# Altium PCB PCB3.PcbDoc (part 1 of 3) (continued)
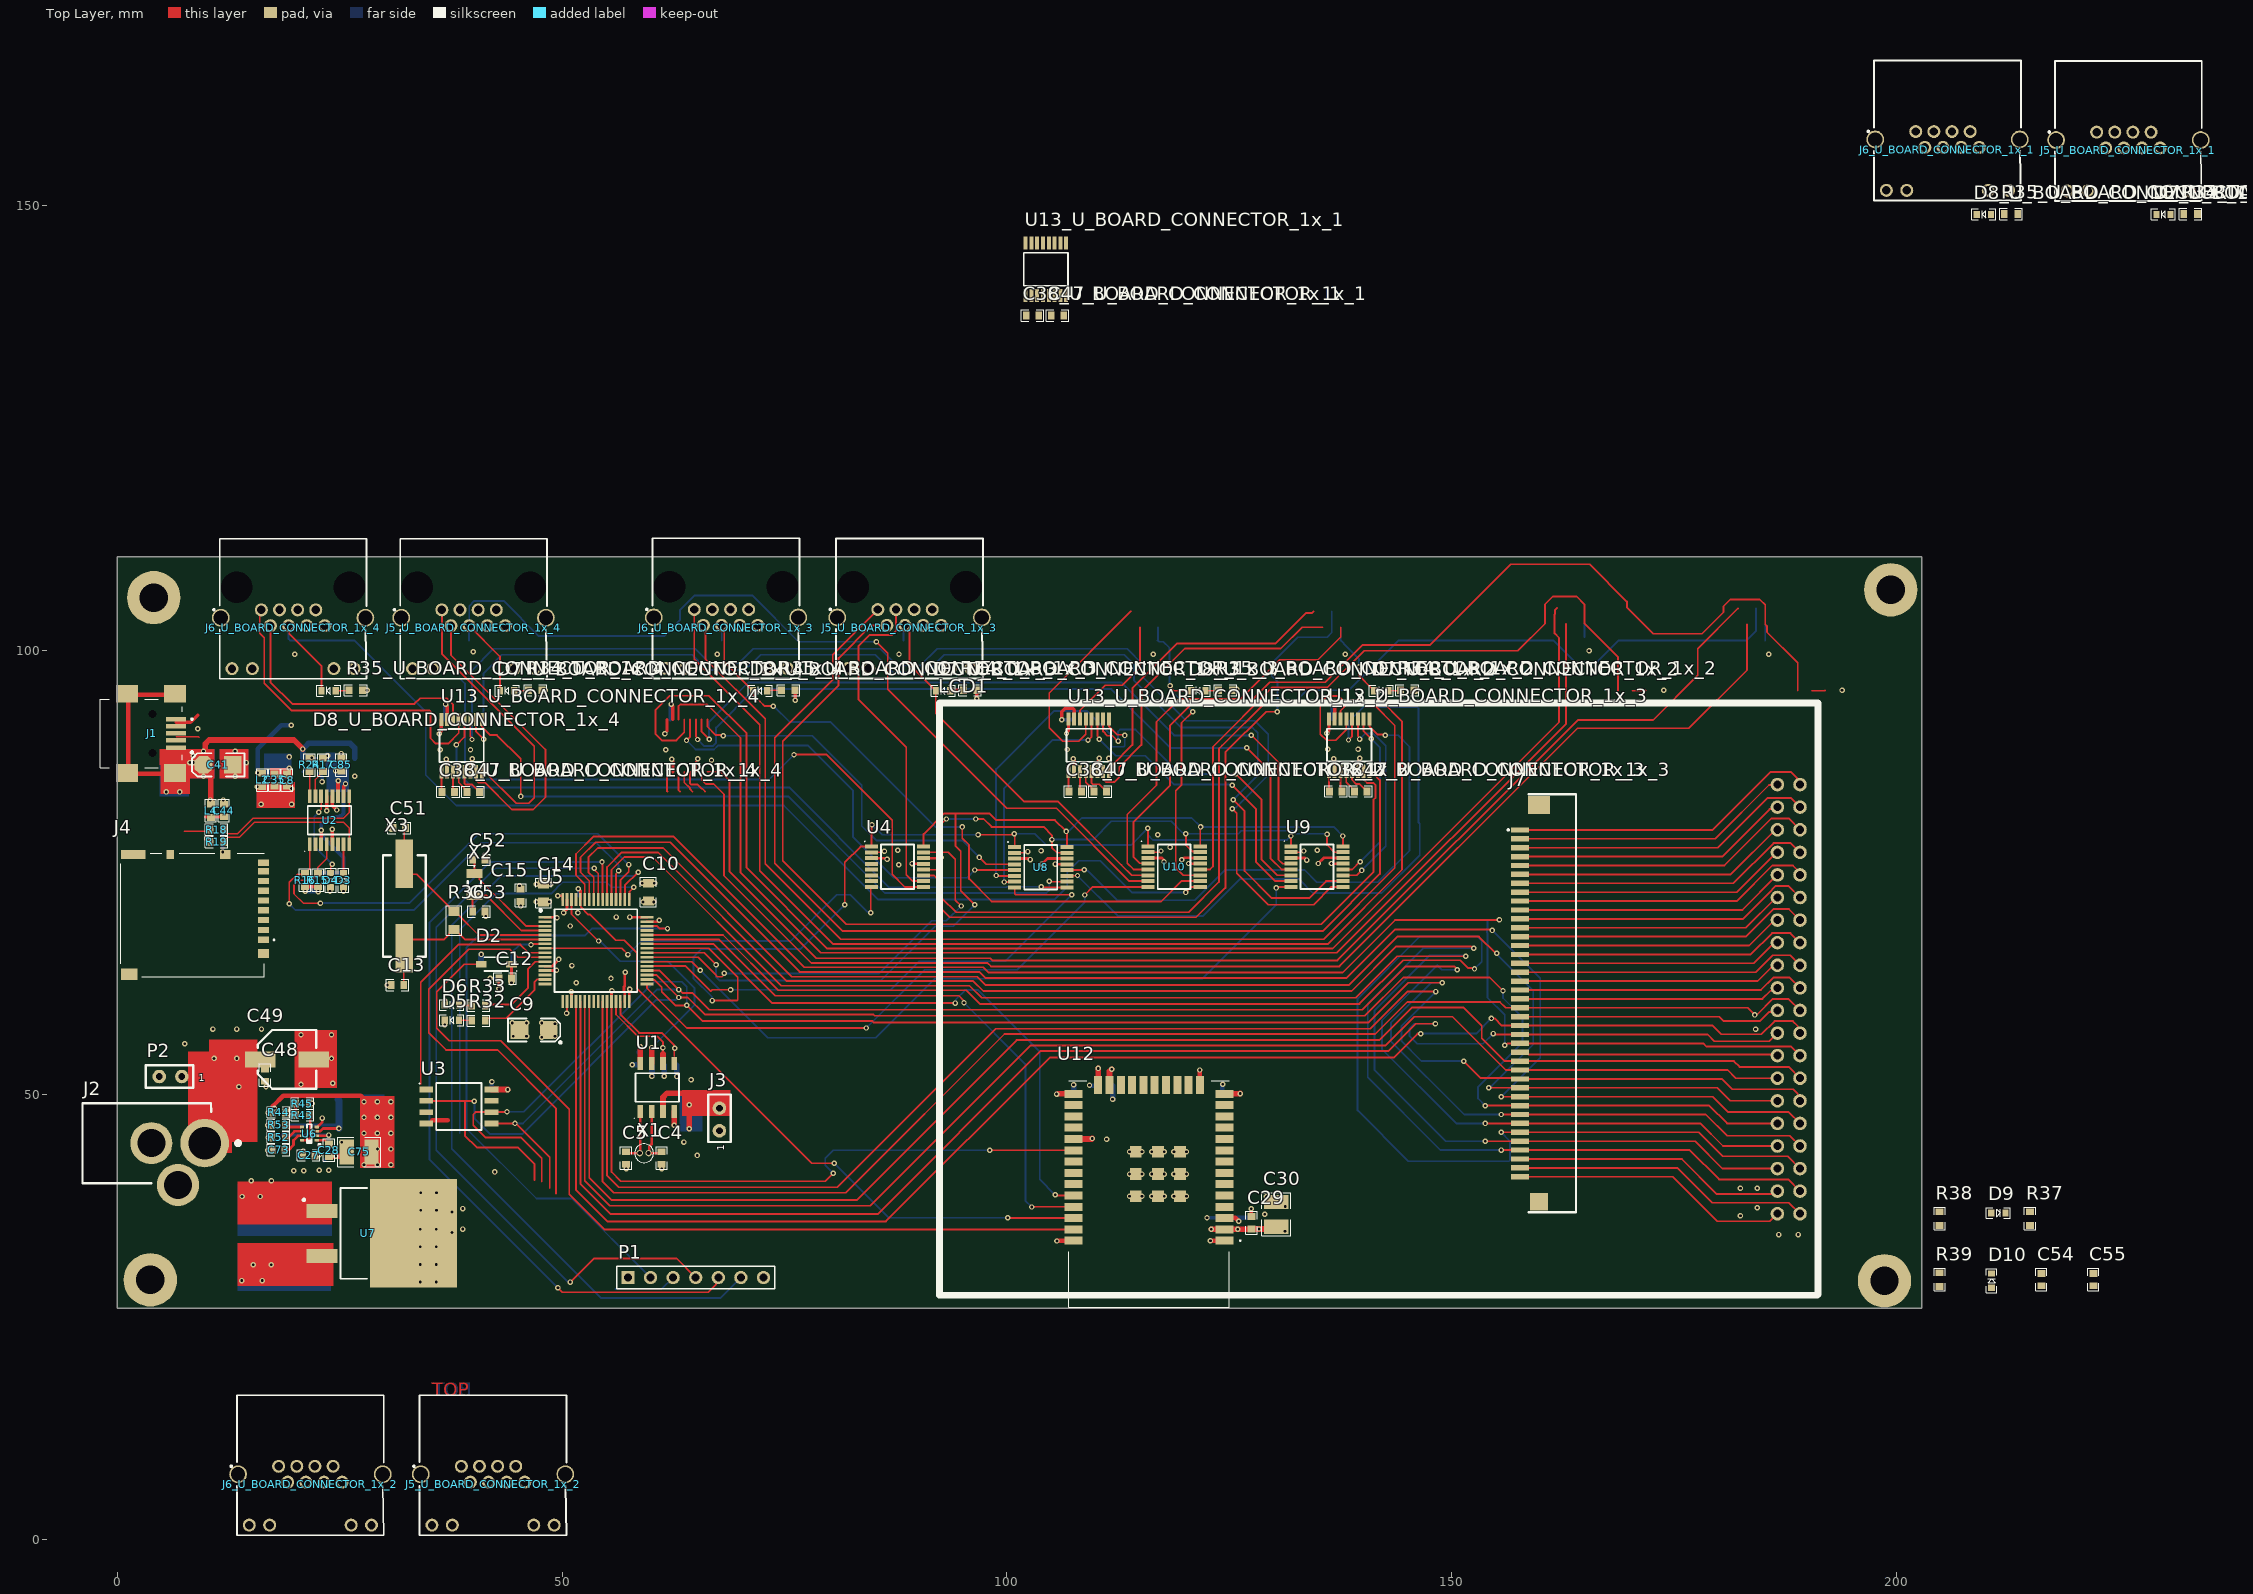
[diagram p0: Top Layer view]
## Classes and differential pairs
net class BOARD_SENSE[8..1]: BOARD_SENSE1 BOARD_SENSE2 BOARD_SENSE3 BOARD_SENSE4
channel class BOARD_CONNECTOR_1x: U_BOARD_CONNECTOR_1x_1 U_BOARD_CONNECTOR_1x_2 U_BOARD_CONNECTOR_1x_3 U_BOARD_CONNECTOR_1x_4
net class WIFI_GPIO[3..1]: WIFI_GPIO1 WIFI_GPIO2 WIFI_GPIO3
net class V_SENSE[8..1]: V_SENSE1 V_SENSE2 V_SENSE3 V_SENSE4 V_SENSE5 V_SENSE6 V_SENSE7 V_SENSE8
net class CMD_TX[8..1]: CMD_TX1 CMD_TX2 CMD_TX3 CMD_TX4 CMD_TX5 CMD_TX6 CMD_TX7 CMD_TX8
net class CMD_RX[8..1]: CMD_RX1 CMD_RX2 CMD_RX3 CMD_RX4 CMD_RX5 CMD_RX6 CMD_RX7 CMD_RX8
net class BOARD_LSENSE[8..1]: BOARD_LSENSE1 BOARD_LSENSE2 BOARD_LSENSE3 BOARD_LSENSE4
component class U_SDCARD_FLASH: C6 C7 D9 J4 R37 R38 U3
component class U_LCD: C32 C36 C37 J7 LCD1 R27
component class U_BOARD_CONNECTOR_1x_4: C38_U_BOARD_CONNECTOR_1x_4 C39_U_BOARD_CONNECTOR_1x_4 C45_U_BOARD_CONNECTOR_1x_4 C46_U_BOARD_CONNECTOR_1x_4 C47_U_BOARD_CONNECTOR_1x_4 D7_U_BOARD_CONNECTOR_1x_4 D8_U_BOARD_CONNECTOR_1x_4 J5_U_BOARD_CONNECTOR_1x_4 J6_U_BOARD_CONNECTOR_1x_4 R28_U_BOARD_CONNECTOR_1x_4 R29_U_BOARD_CONNECTOR_1x_4 R34_U_BOARD_CONNECTOR_1x_4 R35_U_BOARD_CONNECTOR_1x_4 U13_U_BOARD_CONNECTOR_1x_4
component class U_BOARD_CONNECTOR_1x_3: C38_U_BOARD_CONNECTOR_1x_3 C39_U_BOARD_CONNECTOR_1x_3 C45_U_BOARD_CONNECTOR_1x_3 C46_U_BOARD_CONNECTOR_1x_3 C47_U_BOARD_CONNECTOR_1x_3 D7_U_BOARD_CONNECTOR_1x_3 D8_U_BOARD_CONNECTOR_1x_3 J5_U_BOARD_CONNECTOR_1x_3 J6_U_BOARD_CONNECTOR_1x_3 R28_U_BOARD_CONNECTOR_1x_3 R29_U_BOARD_CONNECTOR_1x_3 R34_U_BOARD_CONNECTOR_1x_3 R35_U_BOARD_CONNECTOR_1x_3 U13_U_BOARD_CONNECTOR_1x_3
component class U_BOARD_CONNECTOR_1x_2: C38_U_BOARD_CONNECTOR_1x_2 C39_U_BOARD_CONNECTOR_1x_2 C45_U_BOARD_CONNECTOR_1x_2 C46_U_BOARD_CONNECTOR_1x_2 C47_U_BOARD_CONNECTOR_1x_2 D7_U_BOARD_CONNECTOR_1x_2 D8_U_BOARD_CONNECTOR_1x_2 J5_U_BOARD_CONNECTOR_1x_2 J6_U_BOARD_CONNECTOR_1x_2 R28_U_BOARD_CONNECTOR_1x_2 R29_U_BOARD_CONNECTOR_1x_2 R34_U_BOARD_CONNECTOR_1x_2 R35_U_BOARD_CONNECTOR_1x_2 U13_U_BOARD_CONNECTOR_1x_2
component class U_BOARD_CONNECTOR_1x_1: C38_U_BOARD_CONNECTOR_1x_1 C39_U_BOARD_CONNECTOR_1x_1 C45_U_BOARD_CONNECTOR_1x_1 C46_U_BOARD_CONNECTOR_1x_1 C47_U_BOARD_CONNECTOR_1x_1 D7_U_BOARD_CONNECTOR_1x_1 D8_U_BOARD_CONNECTOR_1x_1 J5_U_BOARD_CONNECTOR_1x_1 J6_U_BOARD_CONNECTOR_1x_1 R28_U_BOARD_CONNECTOR_1x_1 R29_U_BOARD_CONNECTOR_1x_1 R34_U_BOARD_CONNECTOR_1x_1 R35_U_BOARD_CONNECTOR_1x_1 U13_U_BOARD_CONNECTOR_1x_1
component class U_STM32: C9 C10 C11 C12 C13 C14 C15 C16 C17 C18 C19 C20 C21 C22 C23 C24 C51 C52 C53 D1 D2 D5 D6 P1 R4 R5 R6 R7 R8 R10 R11 R32 R33 R36 U4 U5 U8 U9 U10 X2 X3
component class U_RTC: C1 C2 C3 C4 C5 J3 R1 R2 R3 U1 X1
component class U_WIFI: C29 C30 C31 R12 R13 R14 R20 R21 R26 U12
component class U_FTDI: C8 C35 C40 C41 C42 C43 C44 C50 C63 C85 C86 D3 D4 J1 L2 L4 R9 R15 R16 R17 R18 R19 R22 R23 R24 R25 R30 R31 U2
component class U_POWER_CONTROLLER: C25 C26 C27 C28 C33 C34 C48 C49 C54 C55 C73 C74 C75 C76 D10 J2 L6 P2 R39 R43 R44 R45 R52 R53 U6 U7
differential pair USBDP: +USBDP_P -USBDP_N

## Components (designator, comment, footprint, x,y, rotation, side; value= is the part's Value field where it differs from the comment)
C1 "0.1uF/16V" 0603C 58.7,54.1 r270 bottom
C2 "0.1uF/16V" 0603C 64.5,50.5 r90 bottom
C3 "4.7uF/16V" CASE-A 64.4,47.2 r270 bottom
C4 "10pF/50V" 0603C 61.2,42.9 r90 top
C5 "10pF/50V" 0603C 57.2,42.9 r270 top
C6 "0.1uF/16V" 0603C 33.909,44.474 r270 bottom
C7 "0.1uF/16V" 0603C 42.8,50.7 r0 bottom
C8 "0.01uF/16V" 0603C 19.07,85.402 r90 top
C9 "4.7uF/16V" CASE-A 48.5,57.3 r180 top
C10 "10uF/25V" 0805C 59.7,72.8 r270 top
C11 "0.1uF/16V" 0603C 50.1,71.6 r270 bottom
C12 "1uF/16V" 0603C 43.6,63.1 r180 top
C13 "20pF/50V" 0603C 31.496,62.357 r180 top
C14 "10uF/25V" 0805C 47.9,72.7 r270 top
C15 "0.1uF/16V" 0603C 45.339,72.452 r90 top
C16 "0.1uF/16V" 0603C 88.96,75.997 r180 bottom
C17 "0.1uF/16V" 0603C 136.046,75.997 r180 bottom
C18 "0.1uF/16V" 0603C 105.089,75.881 r180 bottom
C19 "0.1uF/16V" 0603C 120.282,75.997 r180 bottom
C20 "0.1uF/16V" 0603C 57.6,63 r90 bottom
C21 "0.1uF/16V" 0603C 50.4,64 r0 bottom
C22 "0.1uF/16V" 0603C 50.2,69.5 r0 bottom
C23 "0.1uF/16V" 0603C 57.3,70 r180 bottom
C24 "0.1uF/16V" 0603C 51,61.9 r90 bottom
C25 "1uF/16V" 0603C 18.118,46.628 r180 bottom
C26 "22uF/25V" 1210C 21.796,42.569 r0 bottom
C27 "0.1uF/50V" 0603C 21.501,43.216 r0 top
C28 "1nF/63V" 0603C 23.777,43.789 r90 top
C29 "0.1uF/16V" 0603C 127.508,35.625 r90 top
C30 "22uF/25V" 1210C 130.302,36.576 r270 top
C31 "1uF/16V" 0603C 128.1,36.2 r0 bottom
C32 "0.1uF/16V" 0603C 187.9,34.27 r180 bottom
C33 "22uF/25V" 1210C 21.915,33.648 r270 bottom
C34 "22uF/25V" 1210C 35.58,35.699 r180 bottom
C35 "0.1uF/16V" 0603C 17.673,85.416 r90 top
C36 "0.1uF/16V" 0603C 184.4,38.37 r270 bottom
C37 "10uF/25V" 0805C 182.5,37.97 r90 bottom
C38_U_BOARD_CONNECTOR_1x_1 "0.1uF/50V" 0603C 102.899,137.654 r180 top (schematic designator C38)
C38_U_BOARD_CONNECTOR_1x_2 "0.1uF/50V" 0603C 107.713,84.124 r180 top (schematic designator C38)
C38_U_BOARD_CONNECTOR_1x_3 "0.1uF/50V" 0603C 137.004,84.138 r180 top (schematic designator C38)
C38_U_BOARD_CONNECTOR_1x_4 "0.1uF/50V" 0603C 37.2,84.085 r180 top (schematic designator C38)
C39_U_BOARD_CONNECTOR_1x_1 "0.1uF/50V" 0603C 102.499,145.054 r270 bottom (schematic designator C39)
C39_U_BOARD_CONNECTOR_1x_2 "0.1uF/50V" 0603C 107.313,91.524 r270 bottom (schematic designator C39)
C39_U_BOARD_CONNECTOR_1x_3 "0.1uF/50V" 0603C 136.604,91.538 r270 bottom (schematic designator C39)
C39_U_BOARD_CONNECTOR_1x_4 "0.1uF/50V" 0603C 36.8,91.485 r270 bottom (schematic designator C39)
C40 "4.7uF/16V" CASE-A 17.8,83.818 r90 bottom
C41 "4.7uF/16V" CASE-A 9.674,87.118 r0 top
C42 "0.1uF/16V" 0603C 11.258,87.88 r180 bottom
C43 "0.1uF/16V" 0603C 11.258,86.356 r180 bottom
C44 "0.01uF/16V" 0603C 11.958,81.976 r90 top
C45_U_BOARD_CONNECTOR_1x_1 "0.1uF/50V" 0603C 106.374,140.818 r180 bottom (schematic designator C45)
C45_U_BOARD_CONNECTOR_1x_2 "0.1uF/50V" 0603C 110.998,87.249 r180 bottom (schematic designator C45)
C45_U_BOARD_CONNECTOR_1x_3 "0.1uF/50V" 0603C 139.904,88.138 r270 bottom (schematic designator C45)
C45_U_BOARD_CONNECTOR_1x_4 "0.1uF/50V" 0603C 40.1,88.085 r270 bottom (schematic designator C45)
C46_U_BOARD_CONNECTOR_1x_1 "0.1uF/50V" 0603C 102.499,141.654 r270 bottom (schematic designator C46)
C46_U_BOARD_CONNECTOR_1x_2 "0.1uF/50V" 0603C 107.313,88.124 r270 bottom (schematic designator C46)
C46_U_BOARD_CONNECTOR_1x_3 "0.1uF/50V" 0603C 136.604,88.138 r270 bottom (schematic designator C46)
C46_U_BOARD_CONNECTOR_1x_4 "0.1uF/50V" 0603C 36.8,88.085 r270 bottom (schematic designator C46)
C47_U_BOARD_CONNECTOR_1x_1 "0.1uF/50V" 0603C 105.699,137.654 r180 top (schematic designator C47)
C47_U_BOARD_CONNECTOR_1x_2 "0.1uF/50V" 0603C 110.513,84.124 r180 top (schematic designator C47)
C47_U_BOARD_CONNECTOR_1x_3 "0.1uF/50V" 0603C 139.804,84.138 r180 top (schematic designator C47)
C47_U_BOARD_CONNECTOR_1x_4 "0.1uF/50V" 0603C 40,84.085 r180 top (schematic designator C47)
C48 "2.2uF/50V" 0603C 16.592,52.229 r90 top
C49 "10uF/63V" EEE-FN1J100L 19.063,54.008 r0 top
C50 "47pF/100V" 0603C 11.134,79.752 r180 bottom
C51 "20pF/50V" 0603C 31.685,80.01 r180 top
C52 "20pF/50V" 0603C 40.64,76.454 r0 top
C53 "20pF/50V" 0603C 40.64,70.612 r0 top
C54 "1uF/16V" 0603C 216.333,29.235 r90 top
C55 "0.1uF/16V" 0603C 222.175,29.235 r90 top
C63 "47pF/100V" 0603C 11.134,78.482 r180 bottom
C73 "6.8nF/50V" 0603C 18.118,43.821 r0 top
C74 "22uF/25V" 1210C 27.178,43.587 r0 bottom
C75 "22uF/25V" 1210C 27.178,43.587 r0 top
C76 "10pF/50V" 0603C 18.125,48.048 r0 bottom
C85 "0.1uF/16V" 0603C 25.166,87.118 r270 top
C86 "4.7nF/50V" 0603C 7.259,86.483 r270 bottom
D1 "1N4148" 1N4148W-13-F 42.6,64.7 r180 bottom value=100V
D2 "1N4148" 1N4148W-13-F 42.6,64.7 r180 top value=100V
D3 "LEDR" LED_0603 25.42,74.164 r90 top value=RED
D4 "LEDR" LED_0603 23.977,74.164 r90 top value=RED
D5 "LEDR" LED_0603 37.6,58.4 r180 top value=RED
D6 "LEDR" LED_0603 37.6,60.1 r180 top value=RED
D7_U_BOARD_CONNECTOR_1x_1 "LEDR" LED_0603 230.072,149.024 r180 top value=RED (schematic designator D7)
D7_U_BOARD_CONNECTOR_1x_2 "LEDR" LED_0603 142.113,95.455 r180 top value=RED (schematic designator D7)
D7_U_BOARD_CONNECTOR_1x_3 "LEDR" LED_0603 92.837,95.455 r180 top value=RED (schematic designator D7)
D7_U_BOARD_CONNECTOR_1x_4 "LEDR" LED_0603 43.815,95.455 r180 top value=RED (schematic designator D7)
D8_U_BOARD_CONNECTOR_1x_1 "LEDR" LED_0603 209.879,149.024 r180 top value=RED (schematic designator D8)
D8_U_BOARD_CONNECTOR_1x_2 "LEDR" LED_0603 121.539,95.455 r180 top value=RED (schematic designator D8)
D8_U_BOARD_CONNECTOR_1x_3 "LEDR" LED_0603 72.263,95.455 r180 top value=RED (schematic designator D8)
D8_U_BOARD_CONNECTOR_1x_4 "LEDR" LED_0603 23.749,95.455 r180 top value=RED (schematic designator D8)
D9 "LEDR" LED_0603 211.507,36.728 r0 top value=RED
D10 "LEDR" LED_0603 210.745,29.108 r90 top value=RED
J1 "Mini USB" 10033527-N3112LF 3.929,90.662 r270 top
J2 "PJ-002BH" PJ002BH 9.81,44.577 r180 top
J3 "101" HEADER_2 67.691,49.784 r180 top value=-
J4 "DM3AT-SF-PEJM5" DM3ATSFPEJM5 9.017,70.231 r270 top
J5_U_BOARD_CONNECTOR_1x_1 "RJHSE-5381" RJHSE5381 226.055,158.394 r180 top (schematic designator J5)
J5_U_BOARD_CONNECTOR_1x_2 "RJHSE-5381" RJHSE5381 42.166,8.366 r180 top (schematic designator J5)
J5_U_BOARD_CONNECTOR_1x_3 "RJHSE-5381" RJHSE5381 89.001,104.705 r180 top (schematic designator J5)
J5_U_BOARD_CONNECTOR_1x_4 "RJHSE-5381" RJHSE5381 39.98,104.669 r180 top locked (schematic designator J5)
J6_U_BOARD_CONNECTOR_1x_1 "RJHSE-5381" RJHSE5381 205.715,158.454 r180 top (schematic designator J6)
J6_U_BOARD_CONNECTOR_1x_2 "RJHSE-5381" RJHSE5381 21.626,8.366 r180 top (schematic designator J6)
J6_U_BOARD_CONNECTOR_1x_3 "RJHSE-5381" RJHSE5381 68.361,104.715 r180 top (schematic designator J6)
J6_U_BOARD_CONNECTOR_1x_4 "RJHSE-5381" RJHSE5381 19.679,104.669 r180 top locked (schematic designator J6)
J7 "ER-CON40HB-2" ERCON40HB2 160.15,60.3 r270 top
L2 "100R,1A" 0603L 16.276,85.416 r90 top value=100R/1A
L4 "100R,1A" 0603L 10.499,81.963 r90 top value=100R/1A
L6 "2.2uH" IHLP1616BZER2R2M5A 24.905,48.33 r0 bottom
LCD1 "LCD320X480" ER-TFTM035-6 145.1,60.77 r270 top locked value=320x480
P1 "Debug" HDR1X7 57.404,29.464 r0 top
P2 "POWER" HEADER_2 3.429,52.07 r270 top
R1 "10K" 0603R 60.1,54.1 r90 bottom
R2 "1K" 0603R 62.9,54.1 r90 bottom
R3 "1K" 0603R 61.5,54.1 r90 bottom
R4 "10K" 0603R 86.56,77.497 r0 bottom
R5 "10K" 0603R 102.589,77.281 r0 bottom
R6 "10K" 0603R 133.784,77.297 r0 bottom
R7 "10K" 0603R 55.5,61.9 r270 bottom
R8 "10K" 0603R 51.8,71.6 r90 bottom
R9 "0R" 0603R 26.69,87.118 r270 bottom
R10 "10K" 0603R 43.6,63.1 r0 bottom
R11 "10K" 0603R 117.782,77.297 r0 bottom
R12 "10K" 0603R 106.762,50.2 r0 bottom
R13 "10K" 0603R 110,45 r0 bottom
R14 "10K" 0603R 125.1,36.2 r180 bottom
R15 "10K" 0603R 22.541,74.164 r270 top
R16 "10K" 0603R 21.102,74.164 r270 top
R17 "10K" 0603R 23.134,87.118 r90 top
R18 "27R" 0603R 11.156,79.839 r180 top
R19 "27R" 0603R 11.156,78.451 r180 top
R20 "10K" 0603R 111.9,51.8 r270 bottom
R21 "10K" 0603R 125,50.1 r0 bottom
R22 "1M" 0805R 5.481,86.102 r90 bottom
R23 "4.7K" 0603R 20.848,87.118 r270 bottom
R24 "0R" 0603R 21.61,87.118 r270 top
R25 "10K" 0603R 22.372,87.118 r90 bottom
R26 "10K" 0603R 110.3,51.8 r90 bottom
R27 "10K" 0603R 183.6,58.2 r90 bottom
R28_U_BOARD_CONNECTOR_1x_1 "10K" 0603R 225.627,153.899 r270 bottom (schematic designator R28)
R28_U_BOARD_CONNECTOR_1x_2 "10K" 0603R 137.541,100.33 r270 bottom (schematic designator R28)
R28_U_BOARD_CONNECTOR_1x_3 "10K" 0603R 88.392,100.33 r270 bottom (schematic designator R28)
R28_U_BOARD_CONNECTOR_1x_4 "10K" 0603R 39.497,100.33 r270 bottom (schematic designator R28)
R29_U_BOARD_CONNECTOR_1x_1 "10K" 0603R 205.307,153.899 r270 bottom (schematic designator R29)
R29_U_BOARD_CONNECTOR_1x_2 "10K" 0603R 116.967,100.33 r270 bottom (schematic designator R29)
R29_U_BOARD_CONNECTOR_1x_3 "10K" 0603R 67.945,100.33 r270 bottom (schematic designator R29)
R29_U_BOARD_CONNECTOR_1x_4 "10K" 0603R 19.431,100.33 r270 bottom (schematic designator R29)
R30 "220R" 0603R 25.42,74.164 r270 bottom
R31 "220R" 0603R 23.981,74.164 r270 bottom
R32 "220R" 0603R 40.6,58.351 r180 top
R33 "220R" 0603R 40.6,60.052 r180 top
R34_U_BOARD_CONNECTOR_1x_1 "220R" 0603R 233.12,149.073 r180 top (schematic designator R34)
R34_U_BOARD_CONNECTOR_1x_2 "220R" 0603R 145.034,95.504 r180 top (schematic designator R34)
R34_U_BOARD_CONNECTOR_1x_3 "220R" 0603R 95.885,95.504 r180 top (schematic designator R34)
R34_U_BOARD_CONNECTOR_1x_4 "220R" 0603R 46.99,95.504 r180 top (schematic designator R34)
R35_U_BOARD_CONNECTOR_1x_1 "220R" 0603R 212.927,149.073 r180 top (schematic designator R35)
R35_U_BOARD_CONNECTOR_1x_2 "220R" 0603R 124.587,95.504 r180 top (schematic designator R35)
R35_U_BOARD_CONNECTOR_1x_3 "220R" 0603R 75.438,95.504 r180 top (schematic designator R35)
R35_U_BOARD_CONNECTOR_1x_4 "220R" 0603R 26.797,95.504 r180 top (schematic designator R35)
R36 "1M" 0805R 37.846,69.596 r270 top
R37 "220R" 0603R 215.063,36.093 r90 top
R38 "10K" 0603R 204.903,36.093 r90 top
R39 "220R" 0603R 204.903,29.235 r90 top
R43 "10K" 0603R 20.804,47.73 r180 top
R44 "40.2K" 0603R 18.125,48.048 r0 top
R45 "7.68K" 0603R 20.804,49.03 r180 top
R52 "604K" 0603R 18.118,45.228 r0 top
R53 "20R" 0603R 18.118,46.628 r0 top
U1 "MCP79400" MCP79400-I/SN 60.703,50.832 r90 top
U2 "FT230XS-R" FT230 23.846,80.883 r90 top
U3 "S25FL064LABMFI013" S25FL064LABMFI013 38.4,48.7 r0 top value=64Mbit
U4 "ADG708BRUZ" ADG708BRUZ 87.716,75.656 r0 top
U5 "STM32F101RBT6" STM32F101RBT6 53.806,66.234 r0 top
U6 "MP2333HGTL" MP2333HGTL-P 21.577,45.652 r180 top value=3.3V
U7 "LD1085D2T33R" LD1085D2T33R 33.294,34.42 r0 top value=3.3V
U8 "ADG708BRUZ" ADG708BRUZ 103.827,75.606 r0 top
U9 "ADG708BRUZ" ADG708BRUZ 134.884,75.672 r0 top
U10 "ADG708BRUZ" ADG708BRUZ 118.82,75.672 r0 top
U12 "ESP32-WROOM-32E_M113EH3200PH3Q0_" ESP32WROOM32EM113EH3200PH3Q0 124.498,33.614 r180 top
U13_U_BOARD_CONNECTOR_1x_1 "MAX3232CPWR" MAX3232CPWR 104.399,142.854 r90 top (schematic designator U13)
U13_U_BOARD_CONNECTOR_1x_2 "MAX3232CPWR" MAX3232CPWR 109.213,89.324 r90 top (schematic designator U13)
U13_U_BOARD_CONNECTOR_1x_3 "MAX3232CPWR" MAX3232CPWR 138.504,89.338 r90 top (schematic designator U13)
U13_U_BOARD_CONNECTOR_1x_4 "MAX3232CPWR" MAX3232CPWR 38.7,89.285 r90 top (schematic designator U13)
X1 "AB26T-32.768KHZ-6" AB26T32768KHZE 58.729,43.448 r0 top value=32.768KHZ
X2 "FC-135R 32.7680KA-AC" "FC-135R 32.7680KA-AC" 40.132,73.66 r270 top value=32.768K
X3 "ECS-080-20-5PX-TR" ECS-080-20-5PX-TR 32.258,71.247 r270 top value=8Mhz

## Footprints (in the part's own frame and the unit in brackets; to place one, negate y for a bottom-side part, rotate by r counter-clockwise, add the part's x,y. Pads: shape width x height; smd on the part's side, far side on the other; paste and mask are expansions set on the pad)
1N4148W-13-F [mm]
  rect 1.2x0.75 smd: 1(-1.7,0) 2(1.7,0)
  silkscreen extent -2.3,-0.77 1.35,0.77, body extent -1.85,-0.78 1.85,0.78, height 1.45
0603C [mm]
  rect 0.762x0.9 smd: 1(-0.7,0) 2(0.7,0)
  silkscreen extent -1.27,-0.64 1.27,0.64, body extent -0.8,-0.4 0.8,0.4, height 0.93
0603L [mil]
  rect 30x35 smd: 1(30,0) 2(-30,0)
  silkscreen extent -50,-25 50,25, body extent -31,-16 32,16, height 31
0603R [mil]
  rect 30x35 smd: 1(30,0) 2(-30,0)
  silkscreen extent -50,-25 50,25, body extent -31,-17 31,17, height 18
0805C [mm]
  rect 1x1.25 smd: 1(-1,0) 2(1,0)
  silkscreen extent -1.65,-0.89 1.65,0.89, body extent -1,-0.6 1,0.6, height 0.91
0805R [mil]
  rect 40x50 smd: 1(-40,0) 2(40,0)
  silkscreen extent -65,-35 65,35, body extent -39,-25 39,25, height 18
1210C [mm]
  rect 1.6x2.794 smd: 1(-1.4,0) 2(1.4,0)
  silkscreen extent -2.41,-1.65 2.41,1.65, body extent -1.6,-1.25 1.6,1.25, height 2.5
10033527-N3112LF [mm]
  rect 0.5x2.25 smd: 1(-1.6,2.675) 2(-0.8,2.675) 3(0,2.675) 4(0.8,2.675) 5(1.6,2.675)
  round 0.45 hole 0.9 unplated: MH1(-2.2,0) MH2(2.2,0)
  rect 2x2.5 smd: MP1(-4.45,2.55) MP2(4.45,2.55) MP3(-4.45,-2.87) MP4(4.45,-2.87)
  silkscreen extent -3.85,-5.85 3.85,4.55, body extent -5.25,-5.85 5.25,3.75, height 4.15
AB26T32768KHZE [mm]
  round 0.7 hole 0.46: 1(0,0) 2(1,0)
  silkscreen extent -0.55,-1.05 1.55,1.05, body extent -0.55,-1.05 1.55,1.05, height 8.3
ADG708BRUZ [mm]
  rect 1.475x0.45 smd: 1(-2.938,2.275) 2(-2.938,1.625) 3(-2.938,0.975) 4(-2.938,0.325) 5(-2.938,-0.325) 6(-2.938,-0.975) 7(-2.938,-1.625) 8(-2.938,-2.275) 9(2.938,-2.275) 10(2.938,-1.625) 11(2.938,-0.975) 12(2.938,-0.325) 13(2.938,0.325) 14(2.938,0.975) 15(2.938,1.625) 16(2.938,2.275)
  silkscreen extent -3.68,-2.5 1.85,2.85, body extent -3.2,-2.5 3.2,2.5, height 1.2
CASE-A [mm]
  oct 2x2 smd: 1(0,0)
  rect 2x2 smd: 2(3.3,0)
  silkscreen extent -1.43,-1.3 4.6,1.53, body extent -0.7,-0.9 4.1,0.9, height 1.8
DM3ATSFPEJM5 [mm]
  rect 0.7x1.2 smd: 1(2.775,7.412) 2(1.675,7.412) 3(0.575,7.412) 4(-0.525,7.412) 5(-1.625,7.412) 6(-2.725,7.412) 7(-3.825,7.412) 8(-4.925,7.412) MP2(-5.875,7.412)
  rect 1x1.2 smd: MP1(4.325,7.412) MP3(-6.825,3.112)
  rect 1x0.8 smd: MP4(-6.825,-3.087)
  rect 1x2.8 smd: MP5(-6.825,-7.237)
  rect 1.3x1.9 smd: MP6(6.675,-7.688)
  silkscreen extent -6.93,-8.64 6.93,8.64, body extent -7.24,-8.64 7.19,7.94, height 1.93
ECS-080-20-5PX-TR [mm]
  rect 5.5x2 smd: 1(-4.75,0) 2(4.75,0)
  silkscreen extent -5.7,-2.4 5.7,2.4, body extent -7.3,-2.4 7.3,2.4, height 4.4
EEE-FN1J100L [mm]
  rect 3.4x1.8 smd: 1(-3,0) 2(3,0)
  silkscreen extent -3.3,-3.3 3.3,3.3, body extent -3.9,-3.4 3.9,3.4, height 6.1
ER-TFTM035-6 [mm]
  round 1.524 hole 0.9: 1(-24.13,44.1) 2(-24.13,41.56) 3(-21.59,44.1) 4(-21.59,41.56) 5(-19.05,44.1) 6(-19.05,41.56) 7(-16.51,44.1) 8(-16.51,41.56) 9(-13.97,44.1) 10(-13.97,41.56) 11(-11.43,44.1) 12(-11.43,41.56) 13(-8.89,44.1) 14(-8.89,41.56) 15(-6.35,44.1) 16(-6.35,41.56) 17(-3.81,44.1) 18(-3.81,41.56) 19(-1.27,44.1) 20(-1.27,41.56) 21(1.27,44.1) 22(1.27,41.56) 23(3.81,44.1) 24(3.81,41.56) 25(6.35,44.1) 26(6.35,41.56) 27(8.89,44.1) 28(8.89,41.56) 29(11.43,44.1) 30(11.43,41.56) 31(13.97,44.1) 32(13.97,41.56) 33(16.51,44.1) 34(16.51,41.56) 35(19.05,44.1) 36(19.05,41.56) 37(21.59,44.1) 38(21.59,41.56) 39(24.13,44.1) 40(24.13,41.56)
  silkscreen extent -33.3,-52.67 33.3,46.13
ERCON40HB2 [mm]
  rect 0.6x2 smd: 1(-19.5,-2.45) 2(-18.5,-2.45) 3(-17.5,-2.45) 4(-16.5,-2.45) 5(-15.5,-2.45) 6(-14.5,-2.45) 7(-13.5,-2.45) 8(-12.5,-2.45) 9(-11.5,-2.45) 10(-10.5,-2.45) 11(-9.5,-2.45) 12(-8.5,-2.45) 13(-7.5,-2.45) 14(-6.5,-2.45) 15(-5.5,-2.45) 16(-4.5,-2.45) 17(-3.5,-2.45) 18(-2.5,-2.45) 19(-1.5,-2.45) 20(-0.5,-2.45) 21(0.5,-2.45) 22(1.5,-2.45) 23(2.5,-2.45) 24(3.5,-2.45) 25(4.5,-2.45) 26(5.5,-2.45) 27(6.5,-2.45) 28(7.5,-2.45) 29(8.5,-2.45) 30(9.5,-2.45) 31(10.5,-2.45) 32(11.5,-2.45) 33(12.5,-2.45) 34(13.5,-2.45) 35(14.5,-2.45) 36(15.5,-2.45) 37(16.5,-2.45) 38(17.5,-2.45) 39(18.5,-2.45) 40(19.5,-2.45)
  rect 2x2.5 smd: 41(-22.3,-0.3)
  rect 2x2 smd: 42(22.3,-0.3)
  silkscreen extent -23.5,-3.85 23.5,3.85
ESP32WROOM32EM113EH3200PH3Q0 [mm]
  rect 2x0.9 smd: 1(0,0) 2(0,-1.27) 3(0,-2.54) 4(0,-3.81) 5(0,-5.08) 6(0,-6.35) 7(0,-7.62) 8(0,-8.89) 9(0,-10.16) 10(0,-11.43) 11(0,-12.7) 12(0,-13.97) 13(0,-15.24) 14(0,-16.51) 25(17,-16.51) 26(17,-15.24) 27(17,-13.97) 28(17,-12.7) 29(17,-11.43) 30(17,-10.16) 31(17,-8.89) 32(17,-7.62) 33(17,-6.35) 34(17,-5.08) 35(17,-3.81) 36(17,-2.54) 37(17,-1.27) 38(17,0)
  rect 0.9x2 smd: 15(2.785,-17.51) 16(4.055,-17.51) 17(5.325,-17.51) 18(6.595,-17.51) 19(7.865,-17.51) 20(9.135,-17.51) 21(10.405,-17.51) 22(11.675,-17.51) 23(12.945,-17.51) 24(14.215,-17.51)
  rect 1.33x1.33 smd: 39(5,-5) 40(5,-7.5) 41(5,-10) 42(7.5,-10) 43(7.5,-7.5) 44(7.5,-5) 45(10,-5) 46(10,-7.5) 47(10,-10)
  silkscreen extent -1.8,-18 17.5,7.5, body extent -0.46,-18.03 17.61,7.51, height 3
"FC-135R 32.7680KA-AC" [mm]
  rect 1x1.8 smd: 1(-1.25,0) 2(1.25,0)
  silkscreen extent -2.1,-0.75 0.4,0.75
FT230 [mm]
  rect 1.526x0.435 smd: 1(-2.712,2.222) 2(-2.712,1.588) 3(-2.712,0.952) 4(-2.712,0.318) 5(-2.712,-0.318) 6(-2.712,-0.952) 7(-2.712,-1.588) 8(-2.712,-2.222) 9(2.712,-2.222) 10(2.712,-1.588) 11(2.712,-0.952) 12(2.712,-0.318) 13(2.712,0.318) 14(2.712,0.952) 15(2.712,1.588) 16(2.712,2.222)
  silkscreen extent -3.48,-2.45 1.6,2.79, body extent -3,-2.45 3,2.45, height 1.75
HDR1X7 [mm] "Connector; Header; 7 Position"
  rect 1.5x1.5 hole 0.9: 1(0,0)
  round 1.5 hole 0.9: 2(2.54,0) 3(5.08,0) 4(7.62,0) 5(10.16,0) 6(12.7,0) 7(15.24,0)
  silkscreen extent -1.27,-1.27 16.51,1.27
HEADER_2 [mil]
  round 60 hole 30: 1(0,150) 2(0,50)
  silkscreen extent -50,-10 50,200
IHLP1616BZER2R2M5A [mil]
  rect 90x120 smd: 1(0,0) 2(157.48,0)
  silkscreen extent -10,-85 165,85
LD1085D2T33R [mm]
  rect 3.5x1.6 smd: 1(-10.275,2.54) 3(-10.275,-2.54)
  rect 9.75x12.2 smd: 4(0,0)
  silkscreen extent -12.39,-5.1 -5.2,5.1, body extent -10.41,-3.25 -0.71,3.33, height 2.3
LED_0603 [mm]
  rect 0.7x0.8 smd: 1(-0.8,0) 2(0.8,0)
  silkscreen extent -1.35,-0.6 1.35,0.6, body extent -0.8,-0.4 0.8,0.4, height 0.75
MAX3232CPWR [mm]
  rect 1.475x0.45 smd: 1(-2.938,2.275) 2(-2.938,1.625) 3(-2.938,0.975) 4(-2.938,0.325) 5(-2.938,-0.325) 6(-2.938,-0.975) 7(-2.938,-1.625) 8(-2.938,-2.275) 9(2.938,-2.275) 10(2.938,-1.625) 11(2.938,-0.975) 12(2.938,-0.325) 13(2.938,0.325) 14(2.938,0.975) 15(2.938,1.625) 16(2.938,2.275)
  silkscreen extent -1.85,-2.5 1.85,2.5, body extent -3.2,-2.5 3.2,2.5, height 1.2
MCP79400-I/SN [mm]
  rect 1.5x0.65 smd: 1(-2.7,1.905) 2(-2.7,0.635) 3(-2.7,-0.635) 4(-2.7,-1.905) 5(2.7,-1.905) 6(2.7,-0.635) 7(2.7,0.635) 8(2.7,1.905)
  silkscreen extent -3.45,-2.45 1.6,2.58, body extent -3,-2.45 3,2.45, height 1.75
MP2333HGTL-P [mm]
  rect 0.475x0.3 smd: 1(-0.838,0.75) 2(-0.838,0.25) 3(-0.838,-0.25) 4(-0.838,-0.75) 5(0.838,-0.75) 6(0.838,-0.25) 7(0.838,0.25) 8(0.838,0.75)
  silkscreen extent -1.27,-1.05 0.25,1.42, body extent -0.8,-1.05 0.8,1.05, height 0.6
PJ002BH [mm]
  round 5.46 hole 3.64: 1(0,0)
  round 4.74 hole 3.16: 2(6,0) 3(3,4.7)
  silkscreen extent -4,-4.5 13.75,4.5, body extent -0.73,-4.57 13.67,4.83, height 11.36
RJHSE5381 [mm]
  round 1.462 hole 0.94: 1(3.501,0.125) 2(2.481,1.905) 3(1.461,0.125) 4(0.441,1.905) 5(-0.579,0.125) 6(-1.599,1.905) 7(-2.619,0.125) 8(-3.639,1.905) 9(6.801,6.735) 10(4.511,6.735) 11(-4.649,6.735) 12(-6.939,6.735)
  round 2 hole 1.6: MH1(-8.199,1.015) MH2(8.061,1.015)
  round 1.65 hole 3.556 unplated: MH3(-6.419,-2.415) MH4(6.281,-2.415)
  silkscreen extent -8.32,-7.88 8.93,7.88, body extent -8.47,-8.13 8.36,8.08, height 16.37
S25FL064LABMFI013 [mm]
  rect 1.55x0.65 smd: 1(-3.675,1.905) 2(-3.675,0.635) 3(-3.675,-0.635) 4(-3.675,-1.905) 5(3.675,-1.905) 6(3.675,-0.635) 7(3.675,0.635) 8(3.675,1.905)
  silkscreen extent -4.45,-2.64 2.55,2.64, body extent -4,-2.64 4,2.64, height 2.16
STM32F101RBT6 [mm]
  rect 1.475x0.3 smd: 1(-5.738,3.75) 2(-5.738,3.25) 3(-5.738,2.75) 4(-5.738,2.25) 5(-5.738,1.75) 6(-5.738,1.25) 7(-5.738,0.75) 8(-5.738,0.25) 9(-5.738,-0.25) 10(-5.738,-0.75) 11(-5.738,-1.25) 12(-5.738,-1.75) 13(-5.738,-2.25) 14(-5.738,-2.75) 15(-5.738,-3.25) 16(-5.738,-3.75) 33(5.738,-3.75) 34(5.738,-3.25) 35(5.738,-2.75) 36(5.738,-2.25) 37(5.738,-1.75) 38(5.738,-1.25) 39(5.738,-0.75) 40(5.738,-0.25) 41(5.738,0.25) 42(5.738,0.75) 43(5.738,1.25) 44(5.738,1.75) 45(5.738,2.25) 46(5.738,2.75) 47(5.738,3.25) 48(5.738,3.75)
  rect 0.3x1.475 smd: 17(-3.75,-5.738) 18(-3.25,-5.738) 19(-2.75,-5.738) 20(-2.25,-5.738) 21(-1.75,-5.738) 22(-1.25,-5.738) 23(-0.75,-5.738) 24(-0.25,-5.738) 25(0.25,-5.738) 26(0.75,-5.738) 27(1.25,-5.738) 28(1.75,-5.738) 29(2.25,-5.738) 30(2.75,-5.738) 31(3.25,-5.738) 32(3.75,-5.738) 49(3.75,5.738) 50(3.25,5.738) 51(2.75,5.738) 52(2.25,5.738) 53(1.75,5.738) 54(1.25,5.738) 55(0.75,5.738) 56(0.25,5.738) 57(-0.25,5.738) 58(-0.75,5.738) 59(-1.25,5.738) 60(-1.75,5.738) 61(-2.25,5.738) 62(-2.75,5.738) 63(-3.25,5.738) 64(-3.75,5.738)
  silkscreen extent -6.35,-4.65 4.65,4.65, body extent -6,-6 6,6, height 1.6

## Part data
C1 C6 C7 C11 C15 C16 C17 C18 C19 C20 C21 C22 C23 C24 C29 C32 C36 C42 C43 C55 C85: library part Cap, "Multilayer Ceramic Capacitors MLCC - SMD/SMT 0603 16VDC 0.1uF 10% X7R AEC-Q2000", Mfr="Taiyo Yuden", Mfr Part No=EMK107B7104KAHT, Package=0603, PRICE=0.101, Stockiest=MOUSER, Stockiest Part No=963-EMK107B7104KAHT
C2: library part 0805_CAP, "Multilayer Ceramic Capacitors MLCC - SMD/SMT 0603 16VDC 0.1uF 10% X7R AEC-Q2000", Mfr="Taiyo Yuden", Mfr Part No=EMK107B7104KAHT, Package=0603, PRICE=0.101, Stockiest=MOUSER, Stockiest Part No=963-EMK107B7104KAHT
C3 C9 C40 C41: library part "Cap Pol1", "Tantalum Capacitors - Solid SMD 16V 4.7uF 1206", Mfr=KEMET, Mfr Part No=T495A475K016ATA2K0, Package=1206, PRICE=1.83, Stockiest=MOUSER, Stockiest Part No=80-T495A475K16ATA2K0
C4 C5 C76: library part Cap, "Multilayer Ceramic Capacitors MLCC - SMD/SMT 50V 10pF 0603 C0G 5% AEC-Q200", Mfr=KEMET, Mfr Part No=C0603C100J5GACAUTO, Package=0603, PRICE=0.192, Stockiest=MOUSER, Stockiest Part No=80-C0603C100J5GAUTO
C8 C44: library part Cap, "Multilayer Ceramic Capacitors MLCC - SMD/SMT 16V 0.01uF X7R 0603 10% AEC-Q200", Mfr=KEMET, Mfr Part No=C0603C103K4RECAUTO, Package=0603, PRICE=0.151, Stockiest=MOUSER, Stockiest Part No=80-C0603C103K4RECAUT
C10 C14 C37: library part Cap, "Multilayer Ceramic Capacitors MLCC - SMD/SMT 0805 25VDC 10uF 20% X5R", Mfr="Taiyo Yuden", Mfr Part No=TMK212BBJ106MG-T, Package=0805, PRICE=0.232, Stockiest=MOUSER, Stockiest Part No=963-TMK212BBJ106MG-T
C12 C25 C31 C54: library part Cap, "Multilayer Ceramic Capacitors MLCC - SMD/SMT 16volts 1uF X7R 10%", Mfr=KEMET, Mfr Part No=C0603C105K4RAC7411, Package=0603, PRICE=0.101, Stockiest=MOUSER, Stockiest Part No=80-C0603C105K4RLR
C13 C51 C52 C53: library part Cap, "Multilayer Ceramic Capacitors MLCC - SMD/SMT 50V 20pF 0603 C0G 5% AEC-Q200", Mfr=KEMET, Mfr Part No=C0603C200J5GACAUTO, Package=0603, PRICE=0.322, Stockiest=MOUSER, Stockiest Part No=80-C0603C200J5GAUTO
C26 C30 C33 C34 C74 C75: library part Cap, "Multilayer Ceramic Capacitors MLCC - SMD/SMT 1210 25VDC 22uF 20% X7R AEC-Q200", Mfr="Taiyo Yuden", Mfr Part No=TMK325B7226MMHP, Package=1210, PRICE=0.807, Stockiest=MOUSER, Stockiest Part No=963-TMK325B7226MMHP
C27 C38_U_BOARD_CONNECTOR_1x_1 C38_U_BOARD_CONNECTOR_1x_2 C38_U_BOARD_CONNECTOR_1x_3 C38_U_BOARD_CONNECTOR_1x_4 C39_U_BOARD_CONNECTOR_1x_1 C39_U_BOARD_CONNECTOR_1x_2 C39_U_BOARD_CONNECTOR_1x_3 C39_U_BOARD_CONNECTOR_1x_4 C45_U_BOARD_CONNECTOR_1x_1 C45_U_BOARD_CONNECTOR_1x_2 C45_U_BOARD_CONNECTOR_1x_3 C45_U_BOARD_CONNECTOR_1x_4 C46_U_BOARD_CONNECTOR_1x_1 C46_U_BOARD_CONNECTOR_1x_2 C46_U_BOARD_CONNECTOR_1x_3 C46_U_BOARD_CONNECTOR_1x_4 C47_U_BOARD_CONNECTOR_1x_1 C47_U_BOARD_CONNECTOR_1x_2 C47_U_BOARD_CONNECTOR_1x_3 C47_U_BOARD_CONNECTOR_1x_4: library part Cap, "Multilayer Ceramic Capacitors MLCC - SMD/SMT 50V 0.1uF 0603 X7R 20%", Mfr=KEMET, Mfr Part No=C0603C104M5RACTU, Package=0603, PRICE=0.101, Stockiest=MOUSER, Stockiest Part No=80-C0603C104M5R
C28: library part Cap, "Multilayer Ceramic Capacitors MLCC - SMD/SMT 63V 1000pF 0603 X7R 10% AEC-Q200", Mfr=KEMET, Mfr Part No=80-C0603C102KMREAUTO, Package=0603, PRICE=0.201, Stockiest=MOUSER, Stockiest Part No=C0603C102KMRECAUTO
C35: library part Cap, "Multilayer Ceramic Capacitors MLCC - SMD/SMT 0603 16VDC 0.1uF 10% X7R AEC-Q200", Mfr="Taiyo Yuden", Mfr Part No=EMK107B7104KAHT, Package=0603, PRICE=0.101, Stockiest=MOUSER, Stockiest Part No=963-EMK107B7104KAHT
C48: library part Cap, "Multilayer Ceramic Capacitors MLCC - SMD/SMT 0603 2.2uF 20% 50VDC X5R", Mfr="Murata Electronics", Mfr Part No=GRM188R61H225ME11J, Package=0603, PRICE=0.333, Stockiest=MOUSER, Stockiest Part No=81-GRM188R61H225ME1J
C49: library part "Cap Pol1", "Polarized Capacitor (Radial)", Mfr=Panasonic, Mfr Part No=EEE-FN1J100L, Package=SMD, PRICE=0.484, Stockiest=MOUSER, Stockiest Part No=667-EEE-FN1J100L
C50 C63: library part Cap, "Multilayer Ceramic Capacitors MLCC - SMD/SMT 100V 47pF 0603 X8R 20% AEC-Q200", Mfr=KEMET, Mfr Part No=C0603C470M1HACAUTO, Package=0603, PRICE=0.121, Stockiest=MOUSER, Stockiest Part No=80-C0603C470M1HAUTO
C73: library part Cap, "Multilayer Ceramic Capacitors MLCC - SMD/SMT 0603 50VDC 6.8nF 5% C0G AEC-Q200", Mfr=TDK, Mfr Part No=CGA3E2C0G1H682J080AE, Package=0603, PRICE=0.363, Stockiest=MOUSER, Stockiest Part No=810-CGA3E2C0G1H682J8
C86: library part 0805_CAP, "Multilayer Ceramic Capacitors MLCC - SMD/SMT 50V 4700pF X7R 0603 10% AEC-Q200", Mfr=KEMET, Mfr Part No=C0603C472K5RACAUTO7411, Package=0603, PRICE=0.221, Stockiest=MOUSER, Stockiest Part No=80-C0603C472K5RAUTLR
D1 D2: library part Diode, "Diodes - General Purpose, Power, Switching 400mW 100Vrrm 4ns", Mfr="Diodes Incorporated", Mfr Part No=1N4148W-13-F, Package=SOD-123-2, PRICE=0.171, Stockiest=MOUSER, Stockiest Part No=621-1N4148W-13-F
D3 D4: library part LED, "Standard LEDs - SMD Red 631nm 14mcd 5mA", Mfr Part No=LTST-C193KRKT-5A, Package=0603, PRICE=0.28, Stockiest=MOUSER, Stockiest Part No=859-LTSTC193KRKT5A
D5 D6 D7_U_BOARD_CONNECTOR_1x_1 D7_U_BOARD_CONNECTOR_1x_2 D7_U_BOARD_CONNECTOR_1x_3 D7_U_BOARD_CONNECTOR_1x_4 D8_U_BOARD_CONNECTOR_1x_1 D8_U_BOARD_CONNECTOR_1x_2 D8_U_BOARD_CONNECTOR_1x_3 D8_U_BOARD_CONNECTOR_1x_4 D9 D10: library part LED, "Standard LEDs - SMD Red 631nm 14mcd 5mA", Mfr=Lite-On, Mfr Part No=LTST-C193KRKT-5A, Package=0603, PRICE=0.393, Stockiest=MOUSER, Stockiest Part No=859-LTSTC193KRKT5A
J1: library part 10033527-N3112LF, "USB Connectors M-USB 1X1 B/REC R/A SMT", Mfr="TE Connectivity", Mfr Part No=1734035-2, PRICE=1.59, Stockiest=MOUSER, Stockiest Part No=571-1734035-2
J2 J7: "Connector"
  J2: Mfr Part No=PJ-002BH
J3: "Coin Cell Battery Holders 20mm coin cell HOLDER", Mfr Part No=101, PRICE=2.23, Stockiest=MOUSER, Stockiest Part No=534-101
J4: "Memory Card Connectors R/A SMT MICROSD CON PUSH-PUSH TOP BRDMNT", Mfr="Hirose Connector", Mfr Part No=DM3AT-SF-PEJM5, PRICE=2.52, Stockiest=MOUSER, Stockiest Part No=798-DM3AT-SF-PEJM5
J5_U_BOARD_CONNECTOR_1x_1 J5_U_BOARD_CONNECTOR_1x_2 J5_U_BOARD_CONNECTOR_1x_3 J5_U_BOARD_CONNECTOR_1x_4 J6_U_BOARD_CONNECTOR_1x_1 J6_U_BOARD_CONNECTOR_1x_2 J6_U_BOARD_CONNECTOR_1x_3 J6_U_BOARD_CONNECTOR_1x_4: "Modular Connectors / Ethernet Connectors R/A RJ45 SHEILDED 8 CONT Y/G LEDS", Mfr="Amphenol Commercial Products", Mfr Part No=RJHSE-5381, PRICE=1.77, Stockiest=MOUSER, Stockiest Part No=523-RJHSE-5381
L2 L4: library part 0805_IND, "Ferrite Beads 100ohms 1A 60mOhms 0603 Ferrite Chip", Mfr=TDK, Mfr Part No=MPZ1608D101BTA00, Package=0603, PRICE=0.10, Stockiest=MOUSER, Stockiest Part No=810-MPZ1608D101BTA00
L6: library part INDUCTOR, "Fixed Inductors 2.2uH 20% High Temp AEC-Q200", Mfr="Vishay / Dale", Mfr Part No=IHLP1616BZER2R2M5A, PRICE=1.36, Stockiest=MOUSER, Stockiest Part No=70-IHLP1616BZR2R2M5A
LCD1: library part ER-TFTM035-6, Mfr="Buy LCD", Mfr Part No=ER-TFTM035-6, PRICE=17, Stockiest="BUY LCD", Stockiest Part No=ER-TFTM035-6
P1: library part "Header 7", "Header, 7-Pin", Stockiest=MOUSER
P2: library part HEADER_2
R1 R4 R5 R6 R7 R8 R11 R12 R13 R14 R15 R16 R17 R20 R21 R25 R26 R27 R28_U_BOARD_CONNECTOR_1x_1 R28_U_BOARD_CONNECTOR_1x_2 R28_U_BOARD_CONNECTOR_1x_3 R28_U_BOARD_CONNECTOR_1x_4 R29_U_BOARD_CONNECTOR_1x_1 R29_U_BOARD_CONNECTOR_1x_2 R29_U_BOARD_CONNECTOR_1x_3 R29_U_BOARD_CONNECTOR_1x_4 R38 R43: library part Res1, "Thick Film Resistors - SMD 0603 10Kohms 1% Anti-Sulfur AEC-Q200", Mfr="ROHM Semiconductor", Mfr Part No=SFR03EZPF1002, Package=0603, PRICE=0.101, Stockiest=MOUSER, Stockiest Part No=755-SFR03EZPF1002
R2 R3: library part Res1, "Resistor", Mfr="Vishay / Dale", Mfr Part No=CRCW06031K00FKEAC, Package=0603, PRICE=0.1, Stockiest=MOUSER, Stockiest Part No=71-CRCW06031K00FKEAC
R9 R24: library part Res1, "Thick Film Resistors - SMD 1/10Watt 0ohms Commercial Use", Mfr="Vishay / Dale", Mfr Part No=CRCW06030000Z0EAC, Package=0603, PRICE=0.101, Stockiest=MOUSER, Stockiest Part No=71-CRCW06030000Z0EAC
R10: library part 0402_RES, "Thick Film Resistors - SMD 0603 10Kohms 1% Anti-Sulfur AEC-Q200", Mfr="ROHM Semiconductor", Mfr Part No=SFR03EZPF1002, Package=0603, PRICE=0.101, Stockiest=MOUSER, Stockiest Part No=755-SFR03EZPF1002
R18 R19: library part Res1, "Thick Film Resistors - SMD 0603 0.25W 1% 27ohm AEC-Q200", Mfr=Panasonic, Mfr Part No=ERJ-UP3F27R0V, Package=0603, PRICE=0.262, Stockiest=MOUSER, Stockiest Part No=667-ERJ-UP3F27R0V
R22 R36: library part 0805_RES, "Thick Film Resistors - SMD 0603 0.25W 1% 1Mohm AEC-Q200", Mfr=Panasonic, Mfr Part No=ERJ-UP3F1004V, Package=0603, PRICE=0.262, Stockiest=MOUSER, Stockiest Part No=667-ERJ-UP3F1004V
R23: library part Res1, "Thick Film Resistors - SMD 1/10Watt 4.7Kohms 5% Commercial Use", Mfr="Vishay / Dale", Mfr Part No=CRCW06034K70JNEAC, Package=0603, PRICE=0.101, Stockiest=MOUSER, Stockiest Part No=71-CRCW06034K70JNEAC
R30 R31 R32 R33 R34_U_BOARD_CONNECTOR_1x_1 R34_U_BOARD_CONNECTOR_1x_2 R34_U_BOARD_CONNECTOR_1x_3 R34_U_BOARD_CONNECTOR_1x_4 R35_U_BOARD_CONNECTOR_1x_1 R35_U_BOARD_CONNECTOR_1x_2 R35_U_BOARD_CONNECTOR_1x_3 R35_U_BOARD_CONNECTOR_1x_4 R37 R39: library part Res1, "Thick Film Resistors - SMD 1/10Watt 220ohms 5% Commercial Use", Mfr="Vishay / Dale", Mfr Part No=CRCW0603220RJNEAC, Package=0603, PRICE=0.101, Stockiest=MOUSER, Stockiest Part No=71-CRCW0603220RJNEAC
R44: library part Res1, "Thick Film Resistors - SMD 0603 Anti-Surge Res. 0.1%, 40.2Koh", Mfr=Panasonic, Mfr Part No=ERJ-PB3B4022V, Package=0603, PRICE=0.252, Stockiest=MOUSER, Stockiest Part No=667-ERJ-PB3B4022V
R45: library part Res1, "Thick Film Resistors - SMD 0603 Anti-Surge Res. 0.1%, 7.68Koh", Mfr=Panasonic, Mfr Part No=ERJ-PB3B7681V, Package=0603, PRICE=0.252, Stockiest=MOUSER, Stockiest Part No=667-ERJ-PB3B7681V
R52: library part Res1, "Thick Film Resistors - SMD 0603 1% 604Kohm Anti-Sulfur AEC-Q200", Mfr=Panasonic, Mfr Part No=ERJ-U03F6043V, Package=0603, PRICE=0.221, Stockiest=MOUSER, Stockiest Part No=667-ERJ-U03F6043V
R53: library part Res1, "Thick Film Resistors - SMD 0603 0.25W 1% 20ohm AEC-Q200", Mfr=Panasonic, Mfr Part No=ERJ-UP3F20R0V, Package=0603, PRICE=0.262, Stockiest=MOUSER, Stockiest Part No=667-ERJ-UP3F20R0V
U1: "Real Time Clock I2C GP RTCC 64B SRAM ID", Mfr="Microchip Technology", Mfr Part No=MCP79400-I/SN, PRICE=0.827, Stockiest=MOUSER, Stockiest Part No=579-MCP79400ISN
U2: library part FT230, "USB Interface IC USB to Basic Serial UART IC SSOP-16", Mfr=FTDI, Mfr Part No=FT230XS-R, PRICE=2.06, Stockiest=MOUSER, Stockiest Part No=895-FT230XS-R
U3: "NOR Flash Nor", Mfr="Cypress Semiconductor", Mfr Part No=S25FL064LABMFI013, PRICE=1.45, Stockiest=MOUSER, Stockiest Part No=727-S25FL064LAMFI013
U4 U8 U9 U10: "Multiplexer Switch ICs 8-CHANNEL MUX", Mfr="Analog Devices", Mfr Part No=ADG708BRUZ, PRICE=3.68, Stockiest=MOUSER, Stockiest Part No=584-ADG708BRUZ
U5: "ARM Microcontrollers - MCU 32BIT Cortex M3 128K 16KB RAM 1X12 ADC", Mfr=STMicroelectronics, Mfr Part No=STM32F101RBT6, PRICE=5.12, Stockiest=MOUSER, Stockiest Part No=511-STM32F101RBT6
U6: "Switching Voltage Regulators High-Efficiency, 3A, 18V, 1200kHz, Synchronous, Step-Down Converter", Mfr="Monolithic Power Systems (MPS)", Mfr Part No=MP2333HGTL-P, PRICE=1.89, Stockiest=MOUSER, Stockiest Part No=946-MP2333HGTL-P
U7: "Integrated Circuit", Mfr=STMicroelectronics, Mfr Part No=LD1085D2T33R, PRICE=1.30, Stockiest=MOUSER, Stockiest Part No=511-LD1085D2T33-TR
U12: "Integrated Circuit", Mfr="Espressif Systems", Mfr Part No=ESP32-WROOM-32E(M113EH3200PH3Q0), PRICE=2.62, Stockiest=MOUSER, Stockiest Part No=356-ESP32WRM32E132PH
U13_U_BOARD_CONNECTOR_1x_1 U13_U_BOARD_CONNECTOR_1x_2 U13_U_BOARD_CONNECTOR_1x_3 U13_U_BOARD_CONNECTOR_1x_4: "RS-232 Interface IC 3-5.5V Mult-Ch RS232", Mfr="Texas Instruments", Mfr Part No=MAX3232CPWR, PRICE=0.94, Stockiest=MOUSER, Stockiest Part No=595-MAX3232CPWR
X1: "Crystals 32.768KHz 6pF 32.768KHZ", Mfr=ABRACON, Mfr Part No=AB26T-32.768KHZ-6, PRICE=0.252, Stockiest=MOUSER, Stockiest Part No=815-AB26T-32.768K-6
X2: library part FC-135R_32.7680KA-A0, "Crystals SMD XTL KHZ +/-20PPM,-40 85C 9.0PF BULK", Mfr="Epson Timing", Mfr Part No="FC-135R 32.7680KA-AC", PRICE=0.584, Stockiest=MOUSER, Stockiest Part No=732-5R32.7680KA-AC
X3: library part ABLS-12.000MHZ-B4-T, "Crystals 8MHz 20pF -10C +70C", Mfr=ECS, Mfr Part No=ECS-080-20-5PX-TR, PRICE=0.273, Stockiest=MOUSER, Stockiest Part No=520-ECS-080-20-5PX-T

## Free pads (board coordinates)
  round 6 hole 3.2: ""(3.7,29.2) ""(4.084,105.928) ""(198.7,29.1) ""(199.4,106.8)

## Via types
v1: diameter 0.61, hole 0.305, Top Layer to Bottom Layer, tented both sides, 344 vias
v2: diameter 0.61, hole 0.305, Top Layer to Bottom Layer, 66 vias

## Nets (pads, with @x,y where several pads share a name; then routed paths per layer and width w, separated by ;. In a path a pad name is that pad's centre, name@x,y a point inside that pad or via, vN(x,y) a via of type N, cw(c..) or ccw(c..) an arc to the next point about the centre after c; other vN are vias at no path point)
ADC_IN: U4.8 U5.8 | length 43.5
  Top Layer w0.203: U5.8@48.068,66.484 56.716,66.484 v1@57.409,65.791 ; v1(84.709,70.485) 84.709,73.312 U4.8@84.778,73.381
  Bottom Layer w0.203: v1(57.404,65.786) 58.928,67.31 75.692,67.31 80.899,72.517 82.423,72.517 84.377,70.563 84.631,70.563 v1(84.709,70.485)
B_SENSE: U5.33 U10.8 | length 65.7
  Top Layer w0.203: U5.33@59.544,62.484 59.544,61.995 64.008,57.531 v1(84.201,57.531) ; v1(108.769,72.482) 109.684,73.397 U10.8@115.882,73.397
  Bottom Layer w0.203: v1(84.201,57.531) 90.757,64.087 101.171,64.087 108.769,71.685 v1(108.769,72.482)